# Altium PCB AutoinformerPCB.PcbDoc (part 1 of 3)
Units mm, origin at the board's own origin, x right, y up, seen from the top; angles counter-clockwise.
Board outline 176 x 90 mm, 2 copper layers (Top Layer, Bottom Layer); 272 components, 172 nets, 929 pads, 276 vias.
Unrouted connection lines stored in the file: 2.
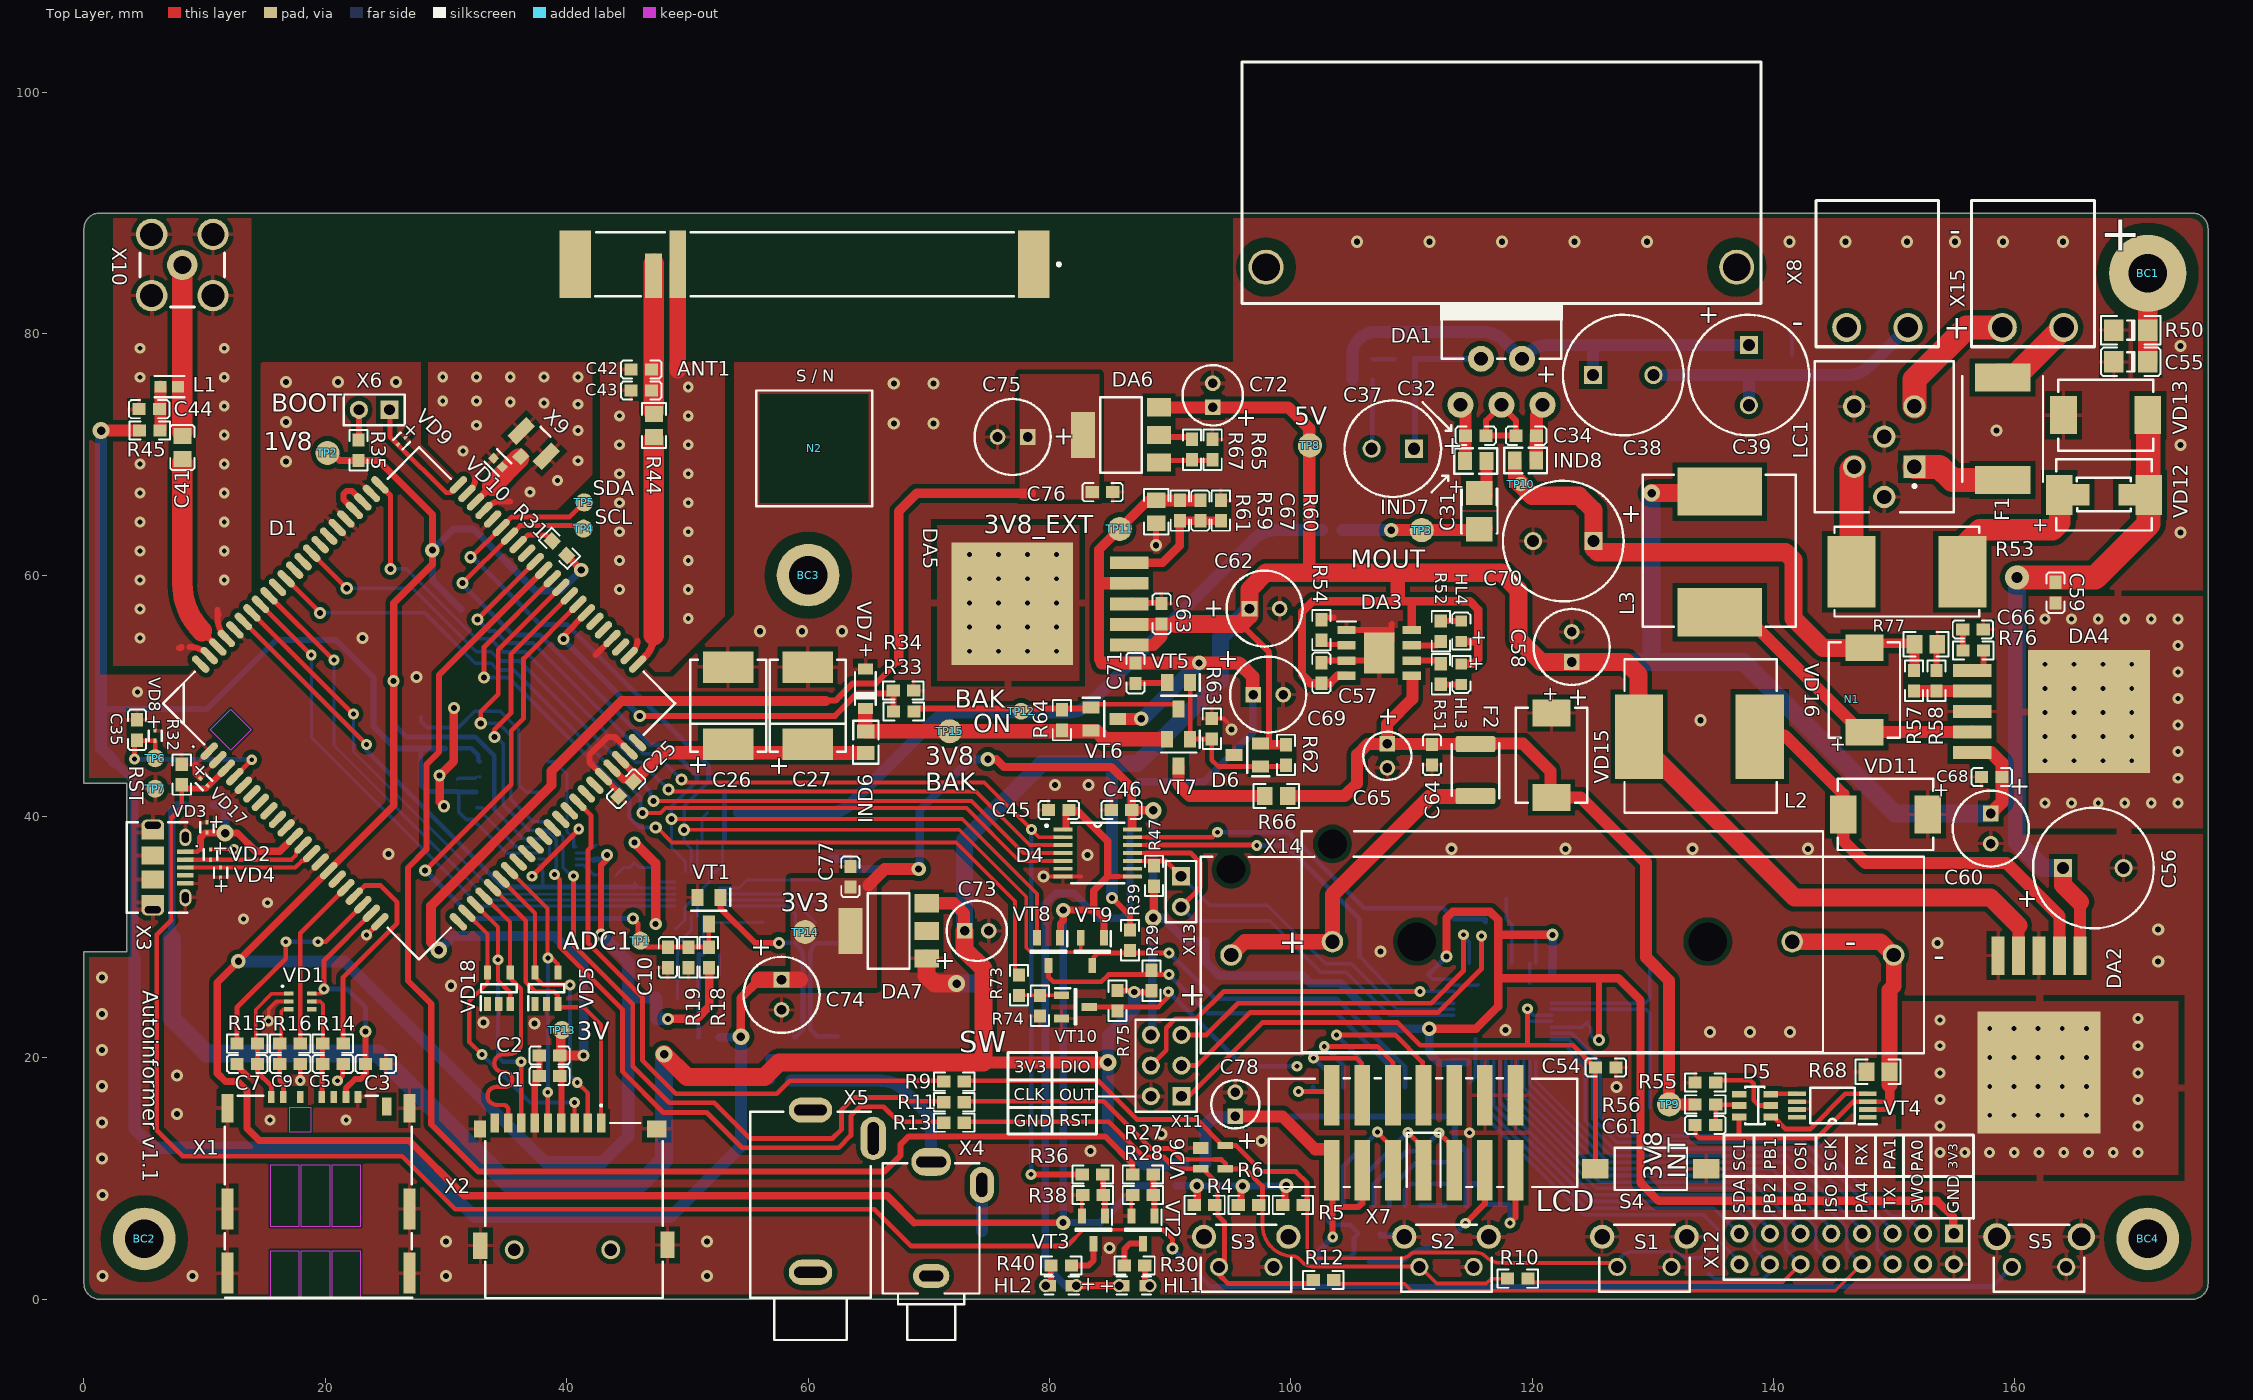
[diagram p0: Top Layer view]
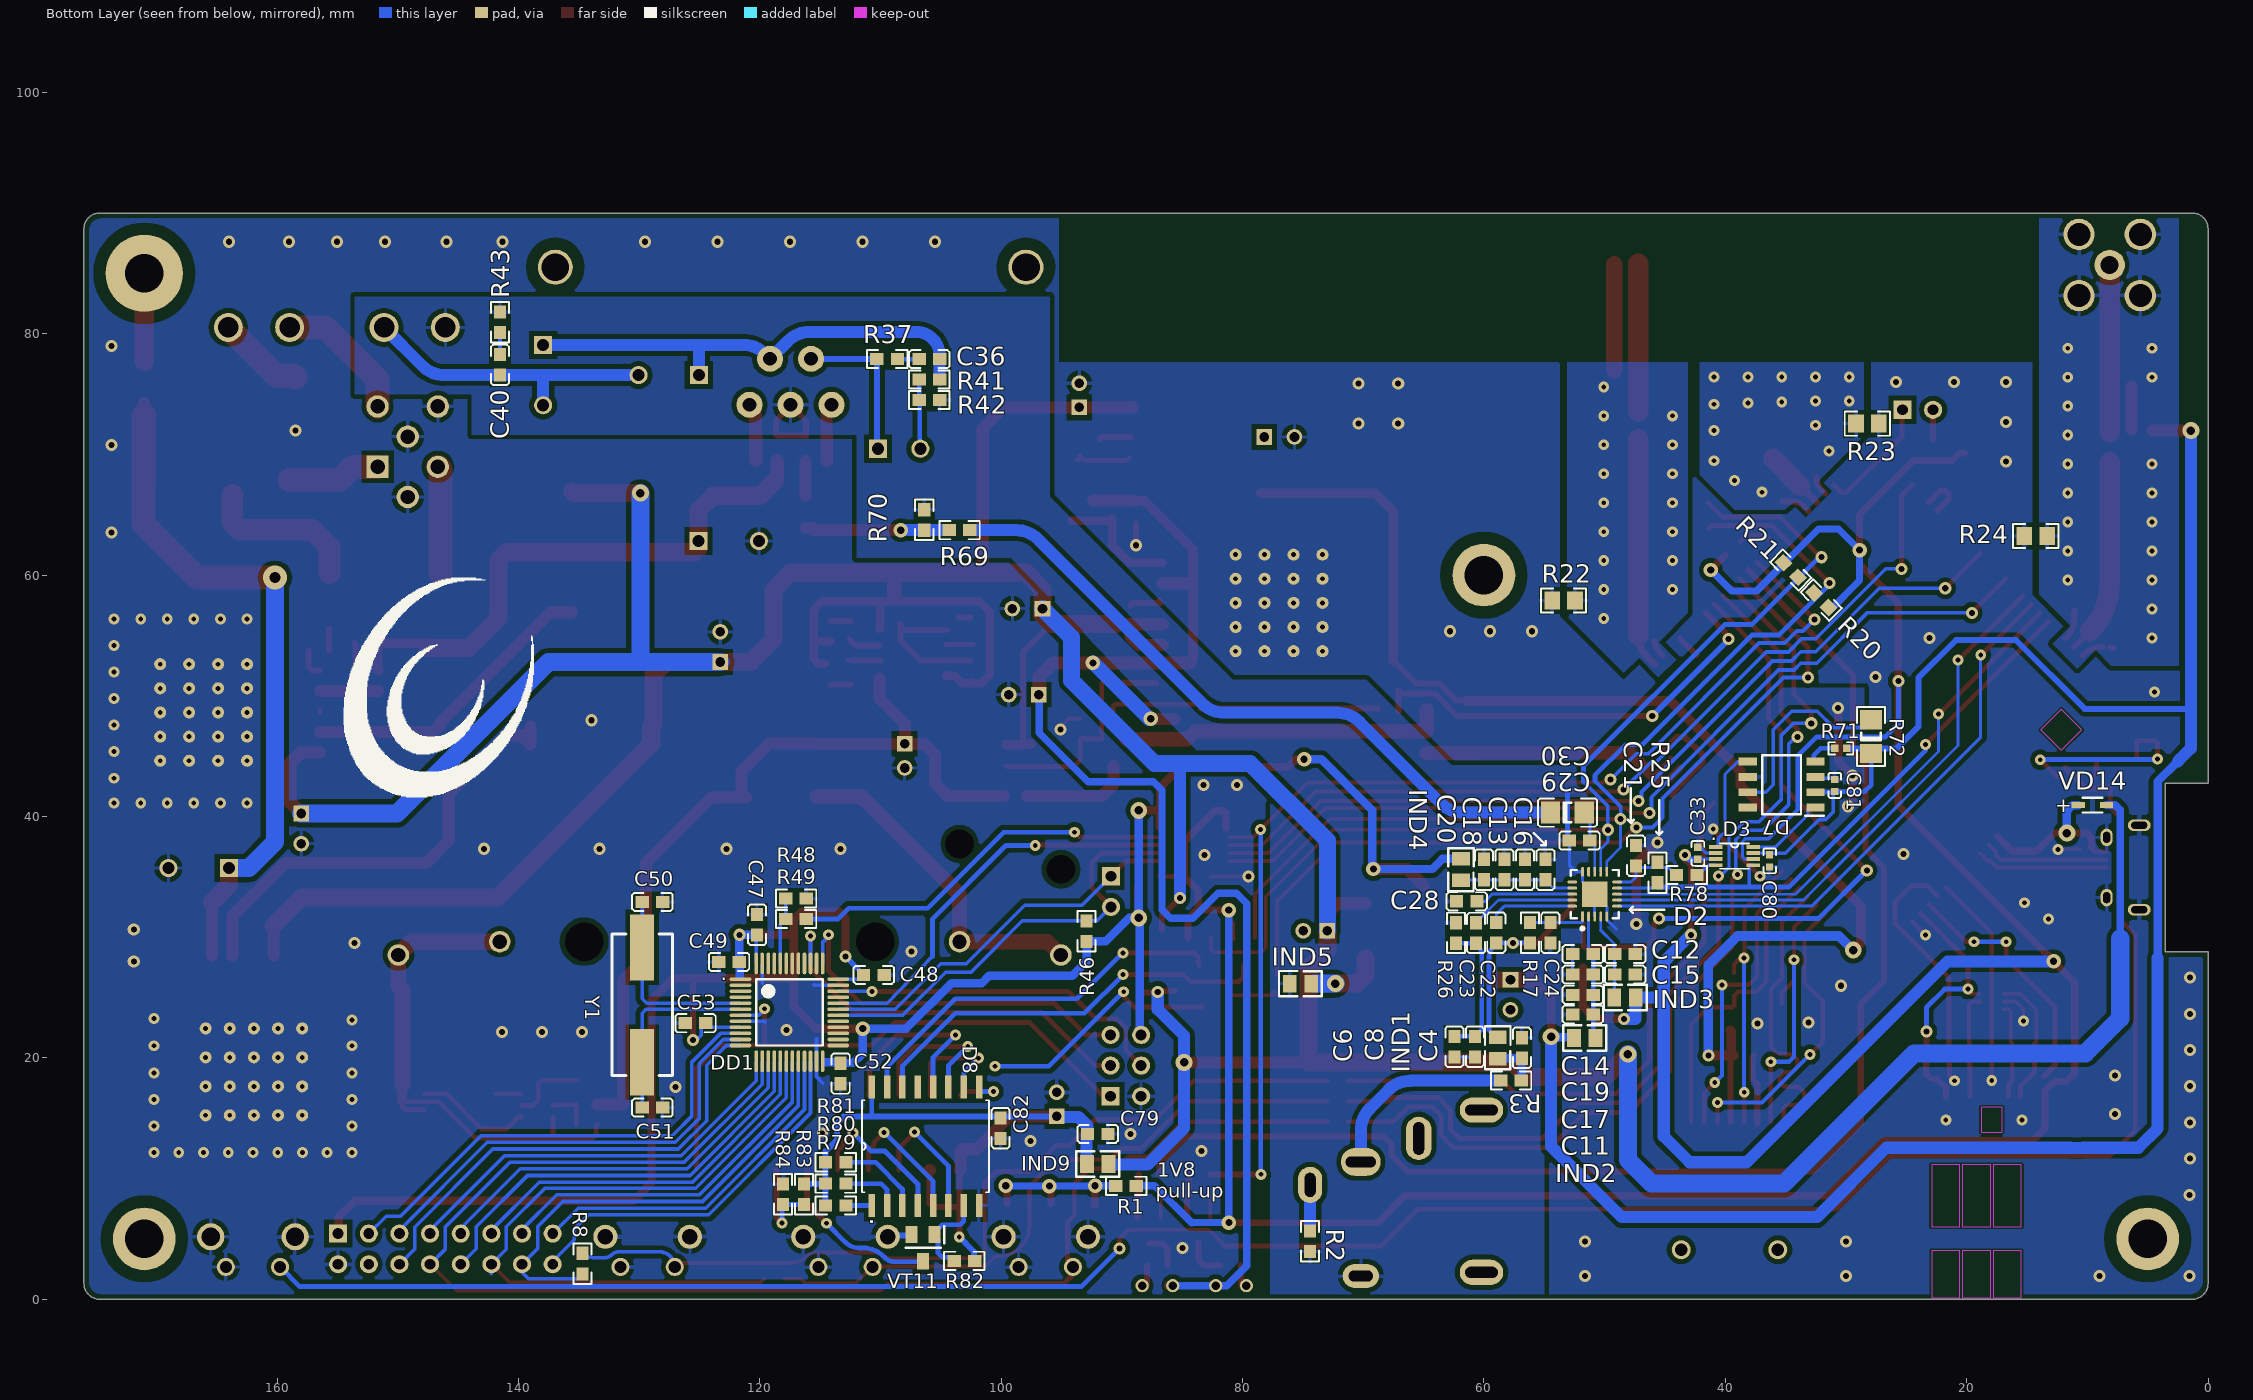
[diagram p1: Bottom Layer view, seen from below]
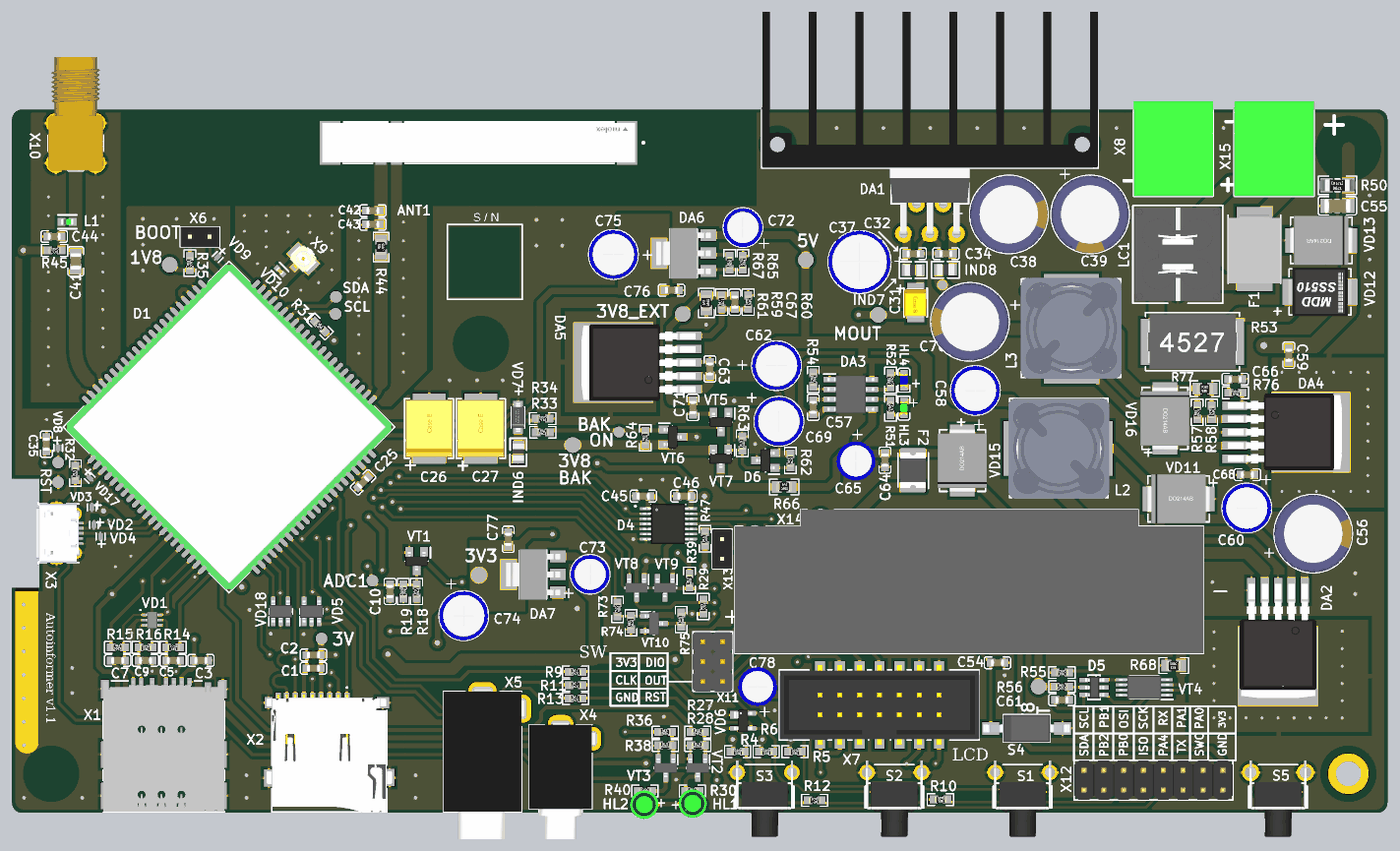
[diagram p4: 3D render of the assembled board from above, using the file's embedded part models]
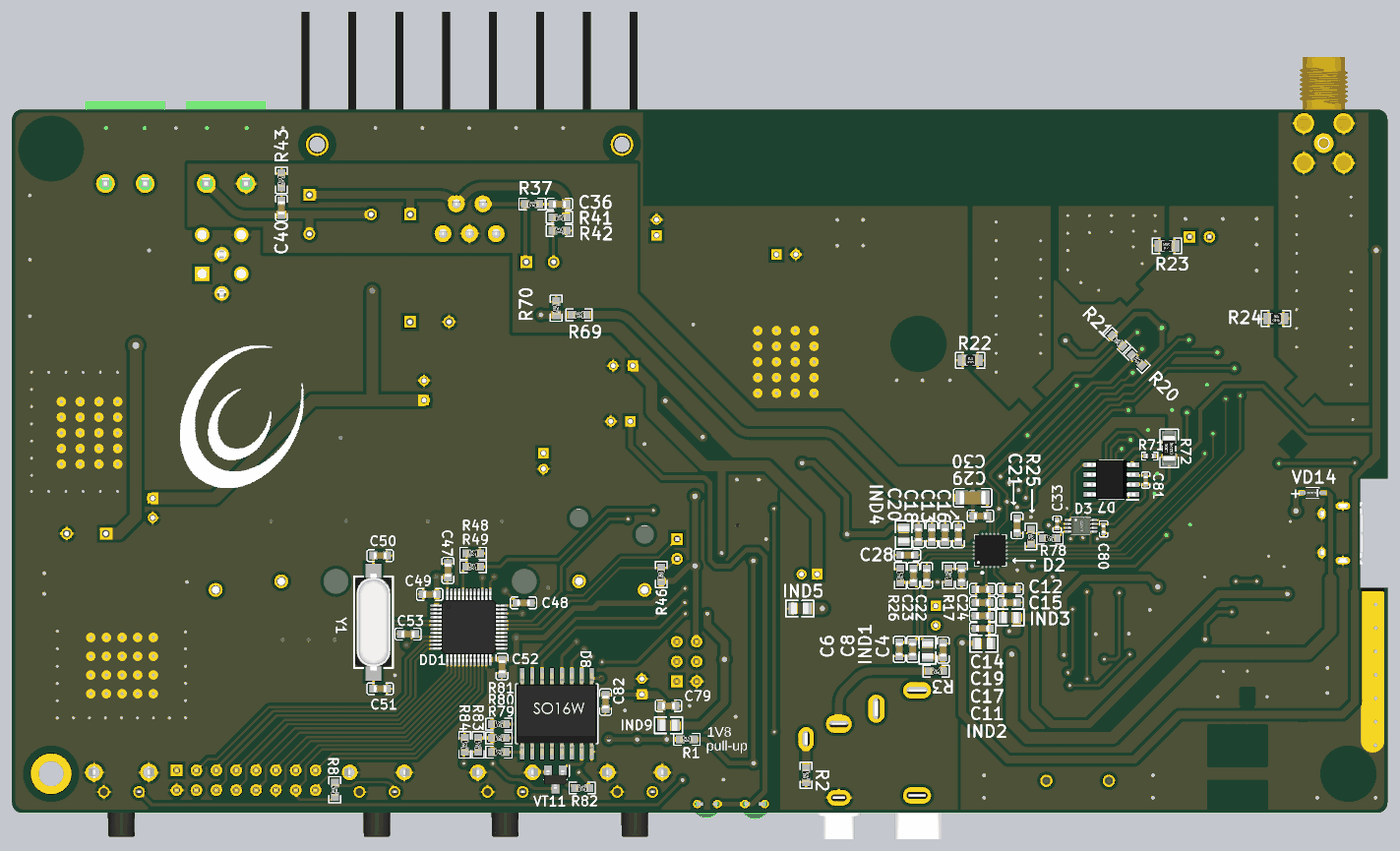
[diagram p5: 3D render of the assembled board from below, using the file's embedded part models]

## Layer stack, top to bottom
Top Solder: solder mask 0.0102, Solder Resist, Dk 3.5
Top Layer: signal copper 0.0356
Dielectric 1: dielectric 0.32, FR-4, Dk 4.8
Bottom Layer: signal copper 0.0356
Bottom Solder: solder mask 0.0102, Solder Resist, Dk 3.5

## Board outline
0,1.3 0,28.775 3.525,28.775 3.525,42.775 0,42.775 0,88.7 cw(c1.3,88.7) 1.3,90 174.7,90 cw(c174.7,88.7) 176,88.7 176,1.3 cw(c174.7,1.3) 174.7,0 1.3,0 cw(c1.3,1.3)

## Design rules (kind name [scope] priority, off if disabled: settings)
Clearance MountingHoleClearance [InNet('No Net')] p1: gap=0.2 ignorepadtopadclearanceinfootprint=TRUE except(0.1: Text-Text; 0.4: Arc-Poly Track-Poly SMDPad-Poly Via-Poly Fill-Poly Poly-Poly; 1: THPad-Poly Poly-Hole)
Clearance BodyConnPadClearance [InPadClass('BodyConnPad')] p2: gap=0.2 ignorepadtopadclearanceinfootprint=TRUE except(0.1: Text-Text; 0.4: Arc-Poly Track-Poly SMDPad-Poly Via-Poly Fill-Poly Poly-Poly; 1: THPad-Poly)
Clearance [All] p3: gap=0.2 ignorepadtopadclearanceinfootprint=TRUE except(0.1: Text-Text; 0.4: Arc-Poly Track-Poly SMDPad-Poly THPad-Poly Via-Poly Fill-Poly Poly-Poly)
DiffPairsRouting [All] p1: maxlimit=0.5 minlimit=0.2 mostfreqgap=0.2 toplayer_minwidth=0.2 toplayer_maxwidth=1 toplayer_prefwidth=0.3 bottomlayer_minwidth=0.2 bottomlayer_maxwidth=1 bottomlayer_prefwidth=0.3 maxuncoupledlength=15
HoleSize [All] p1: absolutevalues=TRUE maxlimit=12.54 minlimit=0.2 maxpercent=80.000 minpercent=20.000
MinimumAnnularRing ViaMinimumAnnularRing [IsVia] p1: minimumring=0.15
MinimumSolderMaskSliver [All] p1: minsoldermaskwidth=0.15
PolygonConnect PolygonDBGGNDConnect [InUnion(2)] p1: connectstyle=Direct reliefconductorwidth=0.254 reliefentries=4 polygonreliefangle="90 Angle" airgapwidth=0
PolygonConnect PolygonANTConnect [InNetClass('ANT_GND_Nets')] p2: thpad.connectstyle=Relief thpad.reliefconductorwidth=0.3 thpad.reliefentries=4 thpad.polygonreliefangle="90 Angle" thpad.airgapwidth=0.4 smdpad.connectstyle=Relief smdpad.reliefconductorwidth=0.3 smdpad.reliefentries=4 smdpad.polygonreliefangle="90 Angle" smdpad.airgapwidth=0.4 via.connectstyle=Direct via.reliefconductorwidth=0.3 via.reliefentries=4 via.polygonreliefangle="90 Angle" via.airgapwidth=0
PolygonConnect PolygonPowerConnect [InPadClass('PowerPad')] p3: connectstyle=Direct reliefconductorwidth=0.254 reliefentries=4 polygonreliefangle="90 Angle" airgapwidth=0.254
PolygonConnect [All] p4: thpad.connectstyle=Relief thpad.reliefconductorwidth=0.3 thpad.reliefentries=4 thpad.polygonreliefangle="90 Angle" thpad.airgapwidth=0.4 smdpad.connectstyle=Relief smdpad.reliefconductorwidth=0.3 smdpad.reliefentries=4 smdpad.polygonreliefangle="90 Angle" smdpad.airgapwidth=0.4 via.connectstyle=Direct via.reliefconductorwidth=0.3 via.reliefentries=4 via.polygonreliefangle="90 Angle" via.airgapwidth=0.4
RoutingVias [All] p1: holewidth=0.4 width=0.8 viastyle="Through Hole" minholewidth=0.2 minwidth=0.4 maxholewidth=6.3 maxwidth=6.5
SolderMaskExpansion [All] p1: expansion=0.102
Width [All] p1: maxlimit=20 minlimit=0.2 preferedwidth=0.3
27 further rules are at their usual default settings.

## Classes and differential pairs
net class ANT_GND_Nets: AUX_GND GNSS_GND MAIN_GND
pad class BodyConnPad: BC1-1 BC2-1 BC3-1 BC4-1 DA1-19 DA1-20
pad class PowerPad: C59-2 C74-1 C75-1 C76-1 C77-1 DA2-6 DA4-6 DA5-6 DA6-4 DA7-4 F2-1 R14-1 R14-2 R15-1 R15-2 R16-1 R16-2 R39-1 TP14-1
component class Sh3_Power: BC1 BC2 BC3 BC4 C55 C56 C57 C58 C59 C60 C61 C62 C63 C64 C65 C66 C67 C68 C69 C70 C71 C72 C73 C74 C75 C76 C77 D5 D6 DA2 DA3 DA4 DA5 DA6 DA7 F1 F2 HL3 HL4 L2 L3 LC1 N1 N2 R50 R51 R52 R53 R54 R55 R56 R57 R58 R59 R60 R61 R62 R63 R64 R65 R66 R67 R68 R76 R77 TP8 TP9 TP10 TP11 TP12 TP13 TP14 TP15 VD11 VD12 VD13 VD14 VD15 VD16 VT4 VT5 VT6 VT7 X14 X15
component class Sh2_MCU: C45 C46 C47 C48 C49 C50 C51 C52 C53 C54 D4 DD1 R46 R47 R48 R49 S4 X11 X12 X13 Y1
component class Sh1_MPU: ANT1 C1 C2 C3 C4 C5 C6 C7 C8 C9 C10 C11 C12 C13 C14 C15 C16 C17 C18 C19 C20 C21 C22 C23 C24 C25 C26 C27 C28 C29 C30 C31 C32 C33 C34 C35 C36 C37 C38 C39 C40 C41 C42 C43 C44 C78 C79 C80 C81 C82 D1 D2 D3 D7 D8 DA1 HL1 HL2 IND1 IND2 IND3 IND4 IND5 IND6 IND7 IND8 IND9 L1 R1 R2 R3 R4 R5 R6 R8 R9 R10 R11 R12 R13 R14 R15 R16 R17 R18 R19 R20 R21 R22 R23 R24 R25 R26 R27 R28 R29 R30 R31 R32 R33 R34 R35 R36 R37 R38 R39 R40 R41 R42 R43 R44 R45 R69 R70 R71 R72 R73 R74 R75 R78 R79 R80 R81 R82 R83 R84 S1 S2 S3 S5 SCL SDA TP1 TP2 TP3 TP4 TP5 TP6 TP7 VD1 VD2 VD3 VD4 VD5 VD6 VD7 VD8 VD9 VD10 VD17 VD18 VT1 VT2 VT3 VT8 VT9 VT10 VT11 X1 X2 X3 X4 X5 X6 X7 X8 X9 X10
differential pair USB: +USB_P -USB_N
differential pair MIC: +MIC_P -MIC_N

## Components (designator, comment, footprint, x,y, rotation, side; value= is the part's Value field where it differs from the comment)
ANT1 "146200-00011" Molex_146200-0011_MFG 59.7,85.75 r0 top
BC1 "Mounting Hole" body_connection_1#1 -32.664,19.353 r0 top
BC2 "Mounting Hole" body_connection_1#2 -17.288,19.353 r0 top
BC3 "Mounting Hole" body_connection_1#3 -24.963,19.353 r0 top
BC4 "Mounting Hole" body_connection_1#4 180.25,5.6 r0 top
C1 "4.7uF" C_SMD0603 38.575,18.5 r0 top
C2 "0.1uF" C_SMD0603 38.575,20.2 r0 top
C3 "0.1uF" C_SMD0603 24.175,19.5 r0 top
C4 "10pF" C_SMD0603 56.85,20.825 r90 bottom
C5 "22pF" C_SMD0603 20.625,19.5 r0 top
C6 "10pF" C_SMD0603 62.45,20.925 r90 bottom
C7 "22pF" C_SMD0603 13.525,19.5 r180 top
C8 "0.1uF" C_SMD0603 60.75,20.925 r270 bottom
C9 "22pF" C_SMD0603 17.075,19.5 r0 top
C10 "10nF" C_SMD0603 48.375,28.325 r270 top
C11 "4.7uF" C_SMD0603 51.8,23.6 r0 bottom
C12 "4.7uF" C_SMD0603 48.3,28.6 r180 bottom
C13 "4.7uF" C_SMD0603 56.6,35.6 r90 bottom
C14 "0.1uF" C_SMD0603 51.8,28.6 r0 bottom
C15 "0.1uF" C_SMD0603 48.3,26.9 r180 bottom
C16 "0.1uF" C_SMD0603 54.9,35.6 r90 bottom
C17 "10pF" C_SMD0603 51.8,25.225 r0 bottom
C18 "10pF" C_SMD0603 58.3,35.6 r90 bottom
C19 "33pF" C_SMD0603 51.8,26.9 r0 bottom
C20 "33pF" C_SMD0603 60,35.6 r90 bottom
C21 "100pF" C_SMD0603 47.4,36.75 r270 bottom
C22 "1uF" C_SMD0603 58.975,30.375 r90 bottom
C23 "1uF" C_SMD0603 60.65,30.35 r90 bottom
C24 "4.7uF" C_SMD0603 54.5,30.375 r90 bottom
C25 "1uF" C_SMD0603 44.915,42.29 r225 top
C26 "470uF 6.3V" TECAP_E 53.375,49.18 r90 top
C27 "470uF 6.3V" TECAP_E 59.975,49.18 r90 top
C28 "4.7uF" C_SMD0603 61.425,32.975 r180 bottom
C29 "10pF" C_SMD0603 52.075,38 r180 bottom
C30 "1uF" C_SMD1206 53.075,40.325 r180 bottom
C31 "10uF 10V" TECAP_B 115.625,65.3 r270 top
C32 "0.1uF" C_SMD0603 115.325,71.55 r0 top
C33 "0.1uF" C_SMD0402 42.275,36.95 r270 bottom
C34 "0.1uF" C_SMD0603 119.5,71.55 r180 top
C35 "0.1uF" C_SMD0603 4.4,47.175 r90 top
C36 "0.039uF" C_SMD0603 105.95,77.9 r0 bottom
C37 "K50-35 470uF 16V" "K50-35 8x11.5x3.5" 108.45,70.475 r0 top
C38 "K50-35 1000uF 25V" "K50-35 10x12.5x5" 127.55,76.575 r180 top
C39 "K50-35 1000uF 25V" "K50-35 10x12.5x5" 137.95,76.575 r90 top
C40 "0.1uF" C_SMD0603 141.525,77.425 r90 bottom
C41 "22pF" C_SMD0805 8.15,70.575 r270 top
C42 "NС" C_SMD0603 46.175,77.05 r0 top
C43 "NС" C_SMD0603 46.175,75.3 r0 top
C44 "33pF" C_SMD0603 5.4,73.75 r0 top
C45 "0.1uF" C_SMD0603 80.775,40.525 r180 top
C46 "0.1uF" C_SMD0603 85.975,40.525 r0 top
C47 "0.1uF" C_SMD0603 120.225,31.025 r90 bottom
C48 "0.1uF" C_SMD0603 110.55,26.875 r180 bottom
C49 "0.1uF" C_SMD0603 122.55,27.95 r0 bottom
C50 "22pF" C_SMD0603 128.9,32.925 r0 bottom
C51 "22pF" C_SMD0603 128.9,15.875 r0 bottom
C52 "0.1uF" C_SMD0603 113.3,18.7 r270 bottom
C53 "0.1uF" C_SMD0603 125.325,22.875 r0 bottom
C54 "0.1uF" C_SMD0603 126.1,19.2 r0 top
C55 "100pF 2kV" C_SMD1206 169.6,77.675 r180 top
C56 "K50-35 220uF 50V" "K50-35 10x12.5x5" 166.5,35.725 r180 top
C57 "10uF" C_SMD0603 102.525,51.9 r270 top
C58 "K50-35 220uF 16V" "K50-35 6.3x11x2.5" 123.275,54.05 r270 top
C59 "0.1uF" C_SMD0603 163.375,58.55 r270 top
C60 "K50-35 220uF 6.3V" "K50-35 6.3x11x2.5" 158,39 r90 top
C61 "0.1uF" C_SMD0603 134.35,14.45 r180 top
C62 "K50-35 100uF 16V" "K50-35 6.3x11x2.5" 97.825,57.225 r180 top
C63 "1uF" C_SMD0603 89.3,56.8 r90 top
C64 "10uF" C_SMD0603 111.7,45.125 r270 top
C65 "K50-35 33uF 6.3V" "K50-35mini 4x7x2" 108,45.025 r90 top
C66 "0.47uF" C_SMD0603 156.525,55.5 r0 top
C67 "0.1uF" C_SMD0603 92.5,65.35 r270 top
C68 "0.1uF" C_SMD0603 158.075,43.275 r180 top
C69 "K50-35 220uF 6.3V" "K50-35 6.3x11x2.5" 98.125,50.1 r180 top
C70 "K50-35 680uF 25V" "K50-35 10x12.5x5" 122.575,62.825 r0 top
C71 "0.1uF" C_SMD0603 87.125,51.875 r270 top
C72 "K50-35 100uF 10V" "K50-35 5x11x2" 93.525,74.9 r270 top
C73 "K50-35 100uF 10V" "K50-35 5x11x2" 73.975,30.525 r180 top
C74 "K50-35 220uF 6.3V" "K50-35 6.3x11x2.5" 57.8,25.225 r90 top
C75 "K50-35 220uF 6.3V" "K50-35 6.3x11x2.5" 76.95,71.45 r0 top
C76 "0.1uF" C_SMD0603 84.4,66.875 r0 top
C77 "0.1uF" C_SMD0603 63.5,35 r90 top
C78 "K50-35 33uF 6.3V" "K50-35mini 4x7x2" 95.4,16.15 r270 top
C79 "0.1uF" C_SMD0603 92,13.7 r0 bottom
C80 "0.1uF" C_SMD0402 36.325,36.325 r270 bottom
C81 "0.1uF" C_SMD0402 30.925,42.575 r270 bottom
C82 "0.1uF" C_SMD0603 100.05,14.175 r270 bottom
D1 "SIM7600E-H" IC_SIM7600E-H 27.773,49.378 r45 top
D2 "NAU8810YG" NAU8810YG 50.82,33.57 r90 bottom
D3 "TXB0102DCU" SOP50P310X90-8N 39.225,36.725 r180 bottom
D4 "TXB0104PWR" SOP65P640X120-14N 84,36.975 r0 top
D5 "DW01A" SOT23-6-D 138.45,16.05 r90 top
D6 "MCP130T-450I/TT" SOT23 96.4,45.1 r180 top
D7 "NB3N501DG" "SOIC8 (SO-8)" 35.325,42.64 r0 bottom
D8 "PCF8574AT" SOIC127P1032X265-16N 106.275,12.675 r90 bottom
DA1 "TDA2003V" "TDA2003V _HS-117-30 (ABM-161-30)" 117.45,82.52 r0 top